# KiCad board hh2024.kicad_pcb (continued)
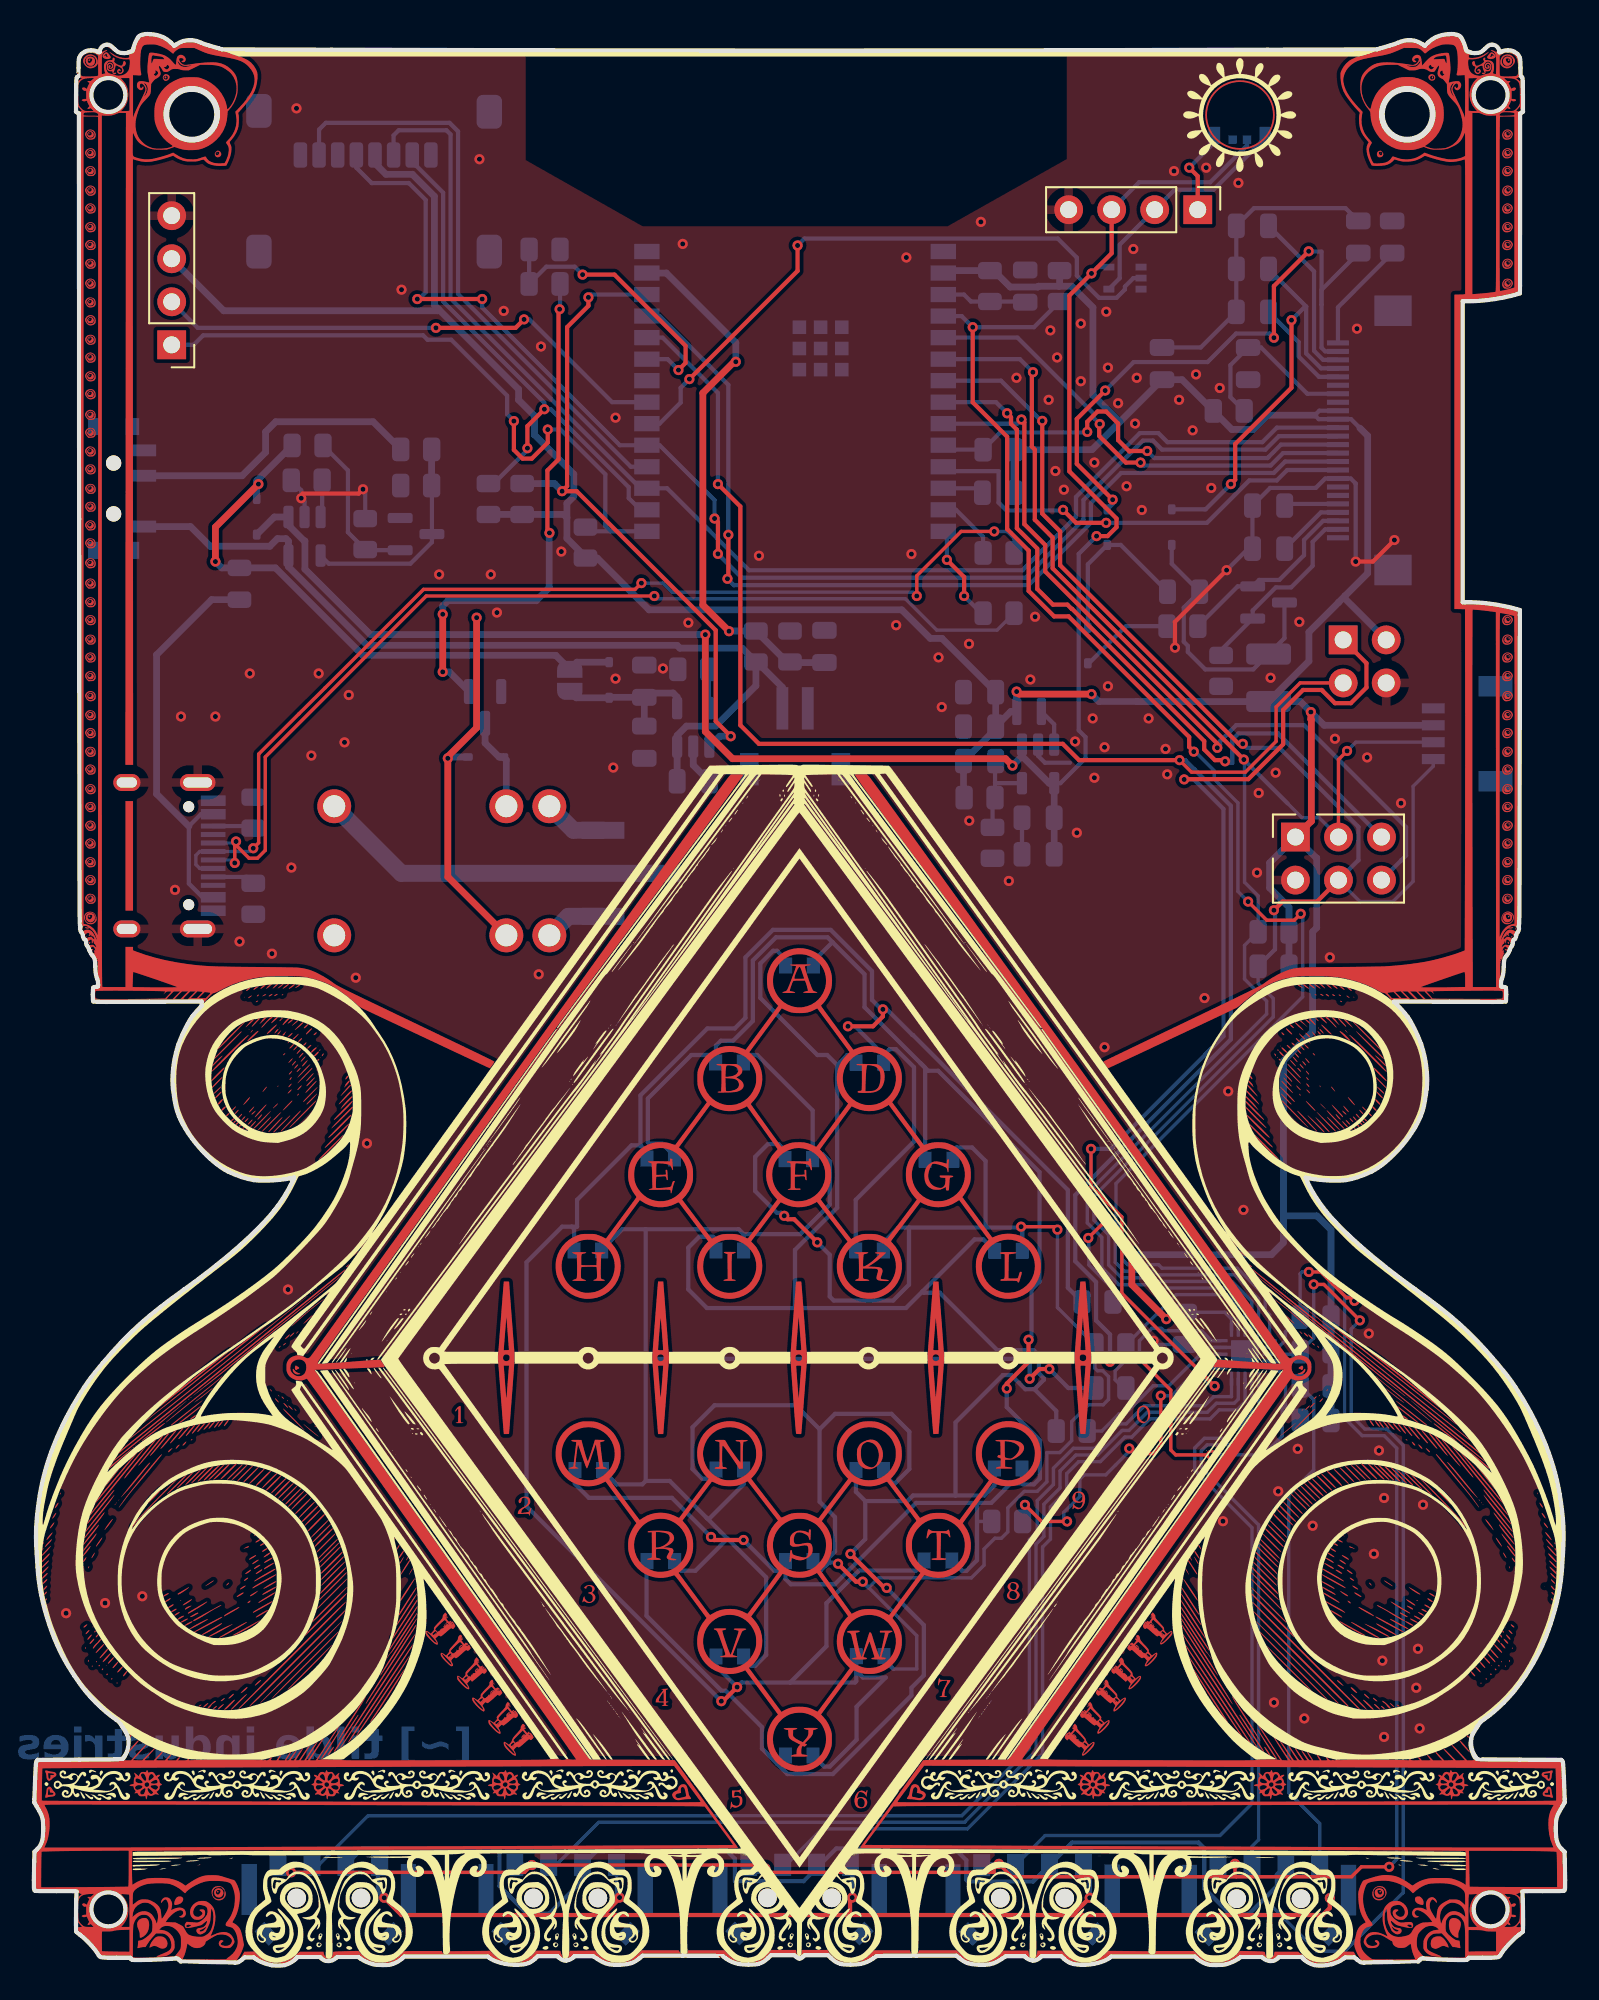
[diagram p0: board, top side]
## Library data of the parts (continued)
U2 = -: Datasheet: https://datasheet.lcsc.com/lcsc/2302231730_WCH-Jiangsu-Qin-Heng-CH32V003F4U6_C5299908.pdf; LCSC: C5299908; Link: https://www.lcsc.com/product-detail/Microcontroller-Units-MCUs-MPUs-SOCs_WCH-Jiangsu-Qin-Heng-CH32V003F4U6_C5299908.html
U3 = -: Datasheet: https://www.espressif.com/sites/default/files/documentation/esp32-c6-wroom-1_datasheet_en.pdf; LCSC: -; Link: https://www.espressif.com/en/products/socs/esp32-c6; Field7: Antenna Area
U4 = -: Datasheet: https://datasheet.lcsc.com/lcsc/1809050356_Silergy-Corp-SY8079AAC_C133751.pdf; LCSC: C133751; Link: https://www.lcsc.com/product-detail/DC-DC-Converters_Silergy-Corp-SY8079AAC_C133751.html; ki_fp_filters: SOT?23*
U5 = -: Datasheet: https://datasheet.lcsc.com/lcsc/1811010913_NATLINEAR-XT4054K421MR-G_C141405.pdf; LCSC: C141405; Link: https://www.lcsc.com/product-detail/Battery-Management-ICs_NATLINEAR-XT4054K421MR-G_C141405.html; ki_fp_filters: SOT?23*
U6 = -: Datasheet: https://datasheet.lcsc.com/lcsc/1810121532_Silergy-Corp-SY6280AAC_C55136.pdf; LCSC: C55136; Link: https://www.lcsc.com/product-detail/Power-Distribution-Switches_Silergy-Corp-SY6280AAC_C55136.html; ki_fp_filters: SOT?23*

## Footprints (pads in the part's own frame, mm; a bottom-side part is the same pattern mirrored in y, then rotated)
C_0805_2012Metric
  rrect 1x1.45 smd: 1(-0.95,0) 2(0.95,0)
D_SOD-323
  rrect 0.6x0.45 smd: 1(-1.05,0) 2(1.05,0)
ESP32-C6-WROOM-1
  rect 1.5x0.9 smd: 1(-8.75,8.26) 2(-8.75,6.99) 3(-8.75,5.72) 4(-8.75,4.45) 5(-8.75,3.18) 6(-8.75,1.91) 7(-8.75,0.64) 8(-8.75,-0.63) 9(-8.75,-1.9) 10(-8.75,-3.17) 11(-8.75,-4.44) 12(-8.75,-5.71) 13(-8.75,-6.98) 14(-8.75,-8.25) 15(8.75,-8.25) 16(8.75,-6.98) 17(8.75,-5.71) 18(8.75,-4.44) 19(8.75,-3.17) 20(8.75,-1.9) 21(8.75,-0.63) 22(8.75,0.64) 23(8.75,1.91) 24(8.75,3.18) 25(8.75,4.45) 26(8.75,5.72) 27(8.75,6.99) 28(8.75,8.26)
  rect 0.8x0.8 smd: 29(-2.755,1.29) 29(-2.755,2.54) 29(-2.755,3.79) 29(-1.505,1.29) 29(-1.505,2.54) 29(-1.505,3.79) 29(-0.255,1.29) 29(-0.255,2.54) 29(-0.255,3.79)
Fuse_0805_2012Metric
  rrect 0.975x1.4 smd: 1(-0.938,0) 2(0.938,0)
Hirose_FH12-24S-0.5SH_1x24-1MP_P0.50mm_Horizontal
  rect 0.3x1.3 smd: 1(-5.75,1.85) 2(-5.25,1.85) 3(-4.75,1.85) 4(-4.25,1.85) 5(-3.75,1.85) 6(-3.25,1.85) 7(-2.75,1.85) 8(-2.25,1.85) 9(-1.75,1.85) 10(-1.25,1.85) 11(-0.75,1.85) 12(-0.25,1.85) 13(0.25,1.85) 14(0.75,1.85) 15(1.25,1.85) 16(1.75,1.85) 17(2.25,1.85) 18(2.75,1.85) 19(3.25,1.85) 20(3.75,1.85) 21(4.25,1.85) 22(4.75,1.85) 23(5.25,1.85) 24(5.75,1.85)
  rect 1.8x2.2 smd: MP(-7.65,-1.4) MP(7.65,-1.4)
HRS1H-S-DC3V
  round 2 hole 1.3: 1(-6.35,-3.81) 2(3.81,-3.81) 3(6.35,-3.81) 4(6.35,3.81) 5(3.81,3.81) 6(-6.35,3.81)
Inductor_MSC20FC
  rrect 0.55x1.6 smd: 1(-0.725,0) 2(0.725,0)
JST_S2B-ZR-SM4A-TF(LF)(SN)
  rect 0.7x2.5 smd: 1(-0.75,2.15) 2(0.75,2.15)
  rect 1.1x1.9 smd: MP(-2.7,-1.45) MP(2.7,-1.45)
L_1210_3225Metric
  rrect 1.25x2.65 smd: 1(-1.4,0) 2(1.4,0)
MicroSD-SOFNG-TF-002-H18
  rrect 0.8x1.5 smd: 1(3.3,-0.05) 2(2.2,-0.05) 3(1.1,-0.05) 4(0,-0.05) 5(-1.1,-0.05) 6(-2.2,-0.05) 7(-3.3,-0.05) 8(-4.4,-0.05)
  rrect 1.5x2 smd: 9(-6.85,-2.65) 9(-6.85,5.65) 9(6.75,-2.6) 9(6.75,5.65)
PinHeader_1x03_P2.54mm_Vertical_SMD_Pin1Left
  rect 2.51x1 smd: 1(-1.655,2.54) 2(1.655,0) 3(-1.655,-2.54)
PinHeader_1x04_P2.54mm_Vertical
  rect 1.7x1.7 hole 1: 1(0,0)
  oval 1.7x1.7 hole 1: 2(0,-2.54) 3(0,-5.08) 4(0,-7.62)
PinHeader_2x02_P2.54mm_Vertical
  rect 1.7x1.7 hole 1: 1(0,0)
  oval 1.7x1.7 hole 1: 2(2.54,0) 3(0,-2.54) 4(2.54,-2.54)
QFN-20-1EP_3x3mm_P0.4mm_EP1.65x1.65mm
  rrect 0.67x0.67 smd: (-0.41,-0.41) (-0.41,0.41) (0.41,-0.41) (0.41,0.41)
  rrect 0.85x0.2 smd: 1(-1.45,0.8) 2(-1.45,0.4) 3(-1.45,0) 4(-1.45,-0.4) 5(-1.45,-0.8) 11(1.45,-0.8) 12(1.45,-0.4) 13(1.45,0) 14(1.45,0.4) 15(1.45,0.8)
  rrect 0.2x0.85 smd: 6(-0.8,-1.45) 7(-0.4,-1.45) 8(0,-1.45) 9(0.4,-1.45) 10(0.8,-1.45) 16(0.8,1.45) 17(0.4,1.45) 18(0,1.45) 19(-0.4,1.45) 20(-0.8,1.45)
  rect 1.65x1.65 smd: 21(0,0)
Qwiic 1X04_1MM_RA_GND
  rect 0.599x1.349 smd: 1(-1.499,0) 2(-0.498,0) 3(0.498,0) 4(1.499,0)
  rect 1.199x1.999 smd: 5(-2.799,-3.673) 6(2.799,-3.673)
R_0805_2012Metric
  rrect 1.025x1.4 smd: 1(-0.912,0) 2(0.912,0)
SAO Female THT Labels
  rect 1.7x1.7 hole 1: 1(1.27,2.54)
  oval 1.7x1.7 hole 1: 2(-1.27,2.54) 3(1.27,0) 4(-1.27,0) 5(1.27,-2.54) 6(-1.27,-2.54)
SK6805-EC3210R
  rect 0.7x1 smd: 1(-1.505,-0.25) 3(1.505,-0.25)
  rect 0.5x0.5 smd: 2(-0.425,0) 4(0.425,0)
SolderJumper-2_P1.3mm_Open_RoundedPad1.0x1.5mm
  custom 1x1.5 smd: 1(-0.65,0) 2(0.65,0)
SOT-23
  rrect 1.475x0.6 smd: 1(-0.938,0.95) 2(-0.938,-0.95) 3(0.938,0)
SOT-23-5
  rrect 1.325x0.6 smd: 1(-1.137,0.95) 2(-1.137,0) 3(-1.137,-0.95) 4(1.137,-0.95) 5(1.137,0.95)
SOT-353_SC-70-5
  rect 0.65x0.4 smd: 1(-0.95,0.65) 2(-0.95,0) 3(-0.95,-0.65) 4(0.95,-0.65) 5(0.95,0.65)
SW_SPDT_PCM12
  rect 1x0.8 smd: (-3.65,-1.43) (-3.65,0.78) (3.65,-1.43) (3.65,0.78)
  round 0.9 hole 0.9 unplated: (-1.5,-0.33) (1.5,-0.33)
  rect 0.7x1.5 smd: 1(-2.25,1.43) 2(0.75,1.43) 3(2.25,1.43)
TM-2023
  rect 0.9x3 smd: (-4.688,-0.471) (4.712,-0.471)
  rect 1.2x0.8 smd rot 135: (-3.668,2.139)
  round 1.1 hole 1.1 unplated: (-1.888,0.029) (1.912,0.029)
  rect 1.2x0.8 smd rot 45: (3.692,2.139)
  rect 1x1.3 smd: 1(-2.988,-1.921) 2(3.012,-1.921) C(-0.988,-1.921) T(1.012,-1.921)
USB_C_Receptacle_HRO_TYPE-C-31-M-12
  round 0.65 hole 0.65 unplated: (-2.89,2.6) (2.89,2.6)
  rect 0.6x1.45 smd: A1(-3.25,4.045) A4(-2.45,4.045) A9(2.45,4.045) A12(3.25,4.045) B1(3.25,4.045) B4(2.45,4.045) B9(-2.45,4.045) B12(-3.25,4.045)
  rect 0.3x1.45 smd: A5(-1.25,4.045) A6(-0.25,4.045) A7(0.25,4.045) A8(1.25,4.045) B5(1.75,4.045) B6(0.75,4.045) B7(-0.75,4.045) B8(-1.75,4.045)
  oval 1x1.6 hole 0.6x1.2: S1(-4.32,-1.05) S1(4.32,-1.05)
  oval 1x2.1 hole 0.6x1.7: S1(-4.32,3.13) S1(4.32,3.13)
XL-1606UOC Side Sticker LED
  rect 0.77x0.95 smd: 1(-0.815,0.475) 2(0.815,0.475)

## Nets
+3V3: C1.2 C2.1 C7.1 C9.1 C10.1 C15.2 J1.2 J3.1 J4.4 J5.3 J8.3 J10.9 J10.10 L1.1 L2.1 R1.1 R2.1 R3.1 R10.1 R11.2 R12.2 R13.1 R14.1 R17.2 R18.2 R19.1 R24.1 R26.2 R36.1 U2.6 U3.2
GND: C1.1 C2.2 C3.2 C4.2 C5.2 C6.1 C8.1 C9.2 C10.2 C11.2 C12.2 C14.2 C15.1 C16.1 C17.1 C18.1 C19.1 C20.1 C21.1 C22.1 D22.2 D25.1 J1.1 J1.5 J1.6 J3.2 J4.6 J4.9 J5.4 J6.A1 J6.A12 J6.B1 J6.B12 J6.S1 J7.4 J8.4 J9.1 J9.MP J10.8 J10.17 J10.MP Q1.2 Q2.2 R15.1 R16.1 R22.1 R23.2 R25.1 R28.1 R30.1 R32.1 R33.1 R34.1 R35.1 U1.1 U1.3 U2.4 U2.21 U3.1 U3.12 U3.28 U3.29 U4.2 U5.2 U6.2
VBAT: C11.1 J9.2 R31.2 SW6.1 U5.3 U6.5
VIN: C4.1 C5.1 D21.1 D22.4 D24.1 J7.3 K1.5 U1.5 U4.1 U4.4 U6.1
/A: D1.2 D2.2 D3.2 D4.2 D8.1 D12.1 D16.1 D20.1 R8.2
/B: D4.1 D5.2 D6.2 D7.2 D8.2 D11.1 D15.1 D19.1 R7.2
/C: D3.1 D7.1 D9.2 D10.2 D11.2 D12.2 D14.1 D18.1 R6.2
/CC1: J6.A5 R15.2
/CC2: J6.B5 R16.2
/CH32 reset: J5.1 U2.1
/D: D2.1 D6.1 D10.1 D13.2 D14.2 D15.2 D16.2 D17.1 R5.2
/E: D1.1 D5.1 D9.1 D13.1 D17.2 D18.2 D19.2 D20.2 R4.2
/E-Paper/BUSY: J10.16 U3.11
/E-Paper/CS: J10.13 R18.1 U3.10
/E-Paper/DC: J10.14 U3.5
/E-Paper/GDR: J10.23 Q3.1 R35.2
/E-Paper/MOSI: J4.3 J10.11 U3.17
/E-Paper/PREVGH: C16.2 D27.1 J10.4
/E-Paper/PREVGL: C14.1 D26.2 J10.2
/E-Paper/RESE: J10.22 Q3.2 R34.2
/E-Paper/RESET: J10.15 U3.25
/E-Paper/SCK: J4.5 J10.12 U3.19
/E-Paper/VCOM: C22.2 J10.1
/E-Paper/VGH: C18.2 J10.20
/E-Paper/VGL: C17.2 J10.21
/E-Paper/VSH: C20.2 J10.5
/E-Paper/VSL: C21.2 J10.3
/microcontroller/D+: J6.A6 J6.B6 R20.1
/microcontroller/D-: J6.A7 J6.B7 R21.1
/microcontroller/GPIO9: J8.1 R19.2 U3.15
/microcontroller/Low Pow CH32: R13.2 U2.11 U3.4
/microcontroller/Relay Ctrl: R9.2 R22.2 U3.23
/microcontroller/RGB LED: U1.2 U3.20
/microcontroller/SAO IO1: J3.5 U3.8
/microcontroller/SAO IO2: J3.6 U3.9
/microcontroller/SDCARD CS: J4.2 R10.2 U3.16
/microcontroller/SPI MISO: J4.7 U3.18
/Power management/CHRG: R26.1 U3.26 U5.1
/Power management/FB33: C7.2 R23.1 R24.2 U4.5
/Power management/SENSE: C12.1 R31.1 R32.2 U3.27
/Power management/SW33: L1.2 U4.3
/USB_VBUS: F1.2 J6.A4 J6.A9 J6.B4 J6.B9
CH32 Prog / PD1: J5.2 R14.2 U2.15 U3.24
LED A: R8.1 U2.5
LED B: R7.1 U2.7
LED C: R6.1 U2.2
LED D: R5.1 U2.10
LED E: R4.1 U2.3
MSWB: R2.2 SW1.T SW2.T SW3.T SW4.T SW5.T U2.13
MSWL: R3.2 SW1.2 SW2.2 SW3.2 SW4.2 SW5.2 U2.14
MSWR: R1.2 SW1.1 SW2.1 SW3.1 SW4.1 SW5.1 U2.12
MSWS1: SW1.C U2.20
MSWS2: SW2.C U2.19
MSWS3: SW3.C U2.18
MSWS4: SW4.C U2.17
MSWS5: SW5.C U2.16
SCL: J1.4 J3.4 R11.1 U2.9 U3.7
SDA: J1.3 J3.3 R12.1 U2.8 U3.6
VUSB: D23.2 D24.2 F1.1 JP1.1 R27.1
Net-(D21-A): D21.2 K1.2 Q1.3
Net-(D22-DIN): D22.3 J7.2 U1.4
Net-(D22-DOUT): D22.1 J7.1
Net-(D23-K): C6.2 C8.2 D23.1 JP1.2 U5.4
Net-(D25-A): C13.1 D25.2 D26.1
Net-(D27-A): C13.2 D27.2 L2.2 Q3.3
Net-(J2-Pin_1): J2.1 K1.4
Net-(J2-Pin_2): J2.2 K1.1
Net-(J2-Pin_3): J2.3 K1.3
Net-(J8-Pin_2): J8.2 U3.21
Net-(J10-Pin_7): C19.2 J10.7 R36.2
Net-(Q1-G): Q1.1 R9.1
Net-(Q2-D): Q2.3 R29.1 R30.2 U6.4
Net-(Q2-G): Q2.1 R27.2 R28.2
Net-(SW6-B): R29.2 SW6.2
Net-(U3-EN/CHIP_PU): C3.1 R17.1 U3.3
Net-(U3-GPIO12/USB_D-): R21.2 U3.13
Net-(U3-GPIO13/USB_D+): R20.2 U3.14
Net-(U5-PROG): R25.2 U5.5
Net-(U6-SET): R33.2 U6.3

Pads without a net: J4 1 8; J6 A8 B8; J10 6 18 19 24; K1 6; SW6 3; U3 22

## Via types
v1: diameter 0.6, hole 0.3, Top to Bottom, 236 vias

## Routing (per net, layer and track width the routed paths; a pad name or vN(x,y) marks a point on that pad's centre or on a via; arc(x,y) is an arc through that point)
+3V3: length 256.4
  Top w0.4: v1(66.85,38.18) 64.81,40.21 v1(64.81,41.98) ; J3.1 75.4,67.55 75.41,67.55 75.41,73.54 75.38,73.57 v1(75.38,74) ; v1(58.01,75.21) 58.16,75.06 v1(62.43,75.06)
  Bottom w0.2: U2.6 70.7,38.17 70.71,38.18 70.3,38.58 68.08,38.58
  Bottom w0.25: 78.28,90.75 77.75,91.28 J10.10 75.85,91.28 75.61,91.52 75.88,91.78 J10.9
  Bottom w0.4: R14.1 R3.1 R2.1 R1.1 76.57,43.44 75.74,44.27 73.76,44.27 ; J1.2 76.16,73.22 v1(75.38,74) 74.76,74.62 L2.1 75.27,77 75.27,78.72 77.02,80.47 77.02,80.48 77.4,80.86 ; v1(58.01,75.21) 58.01,74.04 ; 32.56,83.15 31.46,84.25 31.46,85.47 ; 31.46,85.47 31.28,85.66 R26.2 R10.1 ; 31.46,85.47 31.46,86.32 31.87,86.72 31.87,88.04 29.55,90.36 29.55,91.48 28.61,92.42 28.61,93.05 23.91,97.75 ; 54.88,68.99 C7.1 56.78,73.01 ; 20.13,106.38 20.78,105.73 22.35,105.73 23.64,104.43 23.64,98.01 23.91,97.75 ; 73.76,44.27 73.76,42.69 73.05,41.98 v1(64.81,41.98) ; 73.76,44.27 73.76,53.42 75.49,55.15 75.49,61.04 75.72,61.28 75.72,65.39 75.7,65.39 J3.1 72.95,65.1 72.95,63.63 74.09,62.48 R12.2 R11.2 ; 64.1,91.12 62.52,92.7 62.52,97.88 61.27,99.13 60.5,99.13 ; 64.1,91.12 C15.2 67.78,93.61 R36.1 70.71,90.68 71.98,90.68 72.82,91.52 75.61,91.52 ; 64.1,91.12 62.47,89.48 R18.2 57.86,86.98 ; v1(66.85,38.18) 67.26,38.58 68.08,38.58 ; R13.1 60.55,99.18 60.5,99.13 ; 72.29,74.62 65.13,74.62 65.13,74.62 62.86,74.62 v1(62.43,75.06) ; 77.4,80.86 78.73,82.19 78.73,90.3 78.28,90.75 ; 77.4,80.86 77.4,80.69 J5.3 ; R19.1 33.26,83.09 36.31,80.03 51.23,80.03 52.91,78.35 53.6,78.35 C10.1 C9.1 57.66,74.03 L1.1 ; R17.2 53.83,100.05 ; 23.91,97.75 23.84,97.68 11.2,97.68 J8.3 ; 60.5,99.13 59.31,99.13 59.26,99.08 57.63,99.08 56.66,100.05
GND: length 72.3
  Top w0.25: v1(70.41,82.37) 67.36,79.32 v1(67.36,77.8) ; v1(80.31,84.15) 79.04,82.88 v1(78.03,82.88) ; v1(15.78,86.62) 15.86,86.69 15.86,86.89 19.17,86.89 v1(19.43,87.15)
  Bottom w0.2: 68.26,36.51 U2.4 71.1,36.51 ; v1(66.09,36.9) 66.31,36.68 68.08,36.68
  Bottom w0.25: 61.16,71.01 59.68,71.01 59.28,71.41 U4.2 ; C15.1 68.88,95.51 C20.1 C16.1 C21.1 72.02,103.73 77.43,103.73 C14.2 ; 62.28,76.88 64.47,79.07 R34.1 67.36,78.6 v1(67.36,77.8) ; R33.1 15.78,87.08 v1(15.78,86.62) 15.98,86.42 U6.2 ; U3.12 55.73,87.21 ; C5.2 C4.2 ; v1(19.43,87.15) 19.56,87.02 R28.1 ; 71.68,83.64 v1(70.41,82.37) ; 71.93,83.64 71.93,86.18 72.98,87.23 75.67,87.23 76.23,87.78 J10.17 77.73,87.78 78.03,87.49 v1(78.03,82.88)
  Bottom w0.4: C11.2 38.92,70.87 U5.2
  vias: v1(1.9,20.82) v1(4.2,21.42) v1(6.4,21.82) v1(8.33,63.51) v1(8.68,73.74) v1(10.72,73.74) v1(12.14,60.46) v1(12.75,76.28) v1(14.05,59.74) v1(15,39.92) v1(15.2,64.82) v1(15.5,109.62) v1(16.38,71.43) v1(16.81,76.28) v1(18.34,72.21) v1(18.59,75.01) v1(19,58.32) v1(19.66,48.54) v1(21.7,98.92) v1(23.92,82.12) v1(26.3,106.62) v1(26.97,82.12) v1(27.33,79.87) v1(27.73,97.67) v1(29.8,58.52) v1(29.93,95.57) v1(31.13,83.47) v1(34.2,70.72) v1(34.33,91.37) v1(34.33,75.97) v1(37.13,76.57) v1(38.3,101.62) v1(38.63,79.27) v1(42.8,83.22) v1(50.9,79.12) v1(51.5,100.82) v1(51.8,83.32) v1(53.4,77.22) v1(53.59,74.3) v1(55.2,78.02) v1(55.22,67.59) v1(55.9,102.92) v1(57.55,64.03) v1(58,93.72) v1(58.82,75.92) v1(59.1,79.62) v1(59.9,92.42) v1(60,96.52) v1(60.3,88.22) v1(60.4,94.92) v1(60.8,87.12) v1(61.46,72.26) v1(61.57,66.88) v1(61.8,96.92) v1(61.8,93.52) v1(62.5,73.62) v1(62.6,88.72) v1(62.6,70.12) v1(63.2,71.92) v1(63.2,54.22) v1(63.3,97.62) v1(63.4,94.32) v1(63.4,75.52) v1(64,92.22) v1(64.5,87.32) v1(64.9,101.32) v1(65,91.02) v1(65.1,93.72) v1(65.4,85.92) v1(65.8,73.62) v1(66.8,71.82) v1(66.9,70.32) v1(67.3,105.92) v1(67.6,92.42) v1(68.4,90.62) v1(68.6,93.92) v1(69.1,57.12) v1(69.2,106.12) v1(69.5,87.22) v1(70,93.12) v1(70.19,26.25) v1(70.5,51.62) v1(71.1,105.22) v1(71.4,44.62) v1(72.2,64.52) v1(72.3,69.22) v1(73,76.02) v1(73.2,15.55) v1(73.3,70.42) v1(73.45,28.02) v1(74.6,30.52) v1(74.7,79.32) v1(74.99,14.61) v1(75.49,25.98) v1(76.5,59.52) v1(76.8,72.42) v1(78.1,96.62) v1(78.7,71.32) v1(78.8,37.32) v1(79.1,24.32) v1(79.4,30.42) v1(79.6,18.02) v1(79.7,27.62) v1(79.7,13.52) v1(80.7,68.62) v1(81.6,16.42) v1(81.7,18.72) v1(81.8,14.02) v1(82,27.22)
VBAT: length 54.1
  Bottom w0.4: J9.2 44.18,75.46 42.62,77.02 ; C11.1 U5.3 37.97,72.62 38.52,73.17 40.24,73.17 42.62,75.55 R31.2 41.81,77.77 38.13,77.77 37.97,77.94 19.66,77.94 15.03,82.57 U6.5 15.03,84.08 14.88,84.23 14.38,84.23 13.93,83.78 10.41,83.78 9.25,84.94 SW6.1
VIN: length 136.6
  Top w0.25: v1(62.73,84.38) 63.38,84.38 63.91,84.91 63.91,85.42 61.12,88.21 61.12,98.58 v1(62.43,99.88) 63.62,101.07 J7.3
  Top w0.4: K1.5 24.43,64.28 v1(24.43,71.27) 24.43,71.37 26.13,73.07 v1(26.13,79.57) ; v1(57.77,70.84) 57.36,71.25 41.24,71.25 39.63,72.85 v1(39.63,78.57)
  Bottom w0.25: U4.4 60.6,69.8 62.08,71.28 62.08,72.52 61.68,72.92 61.68,83.33 v1(62.73,84.38) ; v1(62.43,99.88) 62.8,100.26 U1.5 ; J7.3 65.24,105.26 69.44,105.26 71.61,107.43 D22.4
  Bottom w0.4: 58.33,71.4 U4.1 ; 58.33,71.4 57.77,70.84 v1(57.77,70.84) ; 58.33,71.4 59.93,69.8 U4.4 C4.1 C5.1 ; 26.13,78.57 v1(39.63,78.57) ; 26.13,78.57 v1(26.13,79.57) ; 26.13,78.57 19.86,78.57 16,82.44 16,84.1 15.95,84.1 15.03,85.03 U6.1 14.19,85.51 D24.1 ; D21.1 24.51,71.35 v1(24.43,71.27)
/A: length 98.1
  Top w0.25: v1(59.94,35.23) 59.35,35.23 v1(58.78,34.66)
  Bottom w0.25: 39.71,26.46 37.54,28.63 36.12,28.63 ; 39.71,26.46 39.76,26.41 39.88,26.41 41.89,28.43 D8.1 ; 39.71,26.46 40.94,25.22 ; 41.89,43.19 41.6,43.48 36.12,43.48 ; 41.89,43.19 45.24,43.19 46.98,44.93 46.98,47.48 46.55,47.91 45.97,47.91 45.97,48.1 ; 41.89,43.19 D1.2 ; 36.12,43.48 34.73,43.48 33.52,42.27 ; 36.12,43.48 36.12,35.83 ; 40.94,25.22 39.05,23.33 38.22,23.33 37.82,23.72 ; 40.94,25.22 43.23,22.94 43.23,18.36 42.59,17.72 42.33,17.72 41.89,18.16 ; D12.1 34.4,28.43 35.92,28.43 36.12,28.63 ; v1(58.78,34.66) 58.78,35.63 58.58,35.83 36.12,35.83 ; 41.87,53.43 42.21,53.76 42.7,53.76 45.97,50.49 45.97,48.1 ; 36.12,28.63 36.12,35.83 ; v1(59.94,35.23) 61.06,34.11 R8.2 ; D4.2 45.97,48.1
/B: length 118.7
  Top w0.2: v1(58.27,43.63) 60.24,43.63 v1(60.42,43.46)
  Top w0.25: v1(44.29,44.27) 44.49,44.07 44.88,44.07 v1(46.24,42.71) ; v1(47.47,23.74) 48.53,22.69 v1(48.93,22.69)
  Bottom w0.2: v1(58.27,43.63) 58.27,43.51 ; 50.74,17.53 52.12,17.53 52.12,19.49 49.28,22.33 49.85,22.91 55.34,22.91 56.09,23.66 56.09,24.61 56.73,25.25 57.12,25.25 57.49,25.62 57.49,27.04 58.46,28.01 59.23,28.01 59.79,28.58 59.79,30.3 60.55,30.3 61.26,31.01 61.26,32.14 62.25,33.12 63.12,33.12 63.44,33.44 63.44,34.79 63.09,35.13 62.79,35.13 62.63,35.28 R7.2 60.42,38.87 v1(60.42,43.46)
  Bottom w0.25: 51.66,43.58 51.04,43.58 50.14,42.69 D6.2 ; 51.66,43.58 51.66,40.21 50.72,39.27 47.22,39.27 46.98,39.51 46.98,41.97 v1(46.24,42.71) ; 51.66,43.58 56.18,43.58 ; 56.18,43.58 58.22,43.58 v1(58.27,43.63) 58.34,43.56 D5.2 ; 56.18,43.58 56.18,47.51 55.38,48.31 54.45,48.31 54.24,48.1 D7.2 ; D4.1 44.34,48.12 43.95,48.51 43.33,48.51 42.58,47.76 42.58,45.73 43.87,44.45 44.12,44.45 v1(44.29,44.27) ; 40.26,29.21 39.82,28.76 39.45,28.76 38.88,29.33 38.88,31.8 40.18,33.1 44.97,33.1 46.38,31.68 ; 46.38,31.68 46.38,27.4 47.29,26.49 47.29,24.46 46.91,24.08 46.91,23.81 ; 46.38,31.68 47.29,32.59 50.62,32.59 51.68,31.53 51.68,29.33 50.77,28.43 50.15,29.05 ; 45.99,23.8 46.45,23.34 46.91,23.81 ; 46.91,23.81 47.4,23.81 v1(47.47,23.74) ; v1(48.93,22.69) 49.28,22.33 ; 50.17,18.1 50.74,17.53
/C: length 108.7
  Top w0.25: v1(41.89,25.14) 40.15,25.14 v1(39.97,25.32) ; v1(58.71,36.96) 58.71,35.66 57.43,34.37 v1(57.43,34.08)
  Bottom w0.2: R6.2 55.67,26.24
  Bottom w0.25: v1(39.97,25.32) 37.66,27.63 32.76,27.63 31.93,28.46 D12.2 ; 47.14,60.42 46.85,60.71 43.81,60.71 42.44,59.34 42.44,55.77 41.28,54.61 40.55,54.61 40.26,54.32 40.26,53.76 38.81,53.76 36.24,51.2 36.24,48.61 36.33,48.52 37.1,48.52 37.81,47.81 ; 47.14,60.42 49.03,58.53 49.03,56.59 52.34,53.28 ; 47.14,60.42 46,59.29 ; D18.1 58.33,28.49 ; 58.33,28.49 57.67,28.49 56.51,27.33 55.67,27.33 ; 58.33,28.49 58.39,28.43 59.03,28.43 59.38,28.78 59.38,31.03 57.43,32.98 v1(57.43,34.08) ; 52.61,47.58 52.61,53 52.34,53.28 ; 52.34,53.28 52.79,52.83 53.38,52.83 59.36,46.85 59.36,40.39 58.89,39.91 58.89,37.14 v1(58.71,36.96) ; 55.67,27.33 52.08,27.33 47.28,22.53 44.68,22.53 44.36,22.85 44.36,23.33 43.71,23.33 v1(41.89,25.14) ; 55.67,27.33 55.67,23.95 55.04,23.32 54.8,23.32 D14.1
/CC1: length 2
  Bottom w0.25: J6.A5 12.57,64.27
/CC2: length 2.2
  Bottom w0.25: J6.B5 12.83,67.27
/CH32 reset: length 65.1
  Top w0.2: v1(62.4,48.22) 62.4,46.02 64.22,44.2 64.22,39.7 v1(69.7,34.22)
  Top w0.25: J5.1 78.66,76.88 78.66,75.45 77.74,74.52 76.8,74.52 76.02,75.3 74.92,75.3 73.74,74.13 73.74,72.1 71.68,70.04 68.1,70.04 v1(67.9,70.02) 68.07,70.04 68.09,70.04
  Bottom w0.2: U2.1 69.29,35.31 69.1,35.11 69.1,34.62 69.5,34.22 v1(69.7,34.22) 69.7,34.02 69.6,34.12
  Bottom w0.25: v1(62.4,48.22) 63.57,48.22 70.22,54.87 70.22,68.28 68.48,70.02 v1(67.9,70.02)
/D: length 146.5
  Top w0.25: v1(48.05,55.46) 49.53,55.46 50.12,56.04 v1(50.12,56.46) ; v1(41.51,16.46) 40.68,15.63 v1(40.58,15.63)
  Bottom w0.25: 48.54,17.42 48.94,17.03 50.28,17.03 48.56,15.31 48.56,13.36 46.98,11.77 46.65,11.77 D17.1 ; 48.54,17.42 48.54,16.81 48.46,16.73 44.64,16.73 ; 48.54,17.42 D15.2 ; 52.55,23.83 52.07,23.34 48.71,23.34 46.78,21.41 46.78,18.87 44.64,16.73 ; 35.8,48.43 35.8,51.38 39.76,55.33 41.38,55.33 42,55.95 42,59.52 43.62,61.15 47.04,61.15 49.47,58.71 49.47,57.02 50.03,56.46 v1(50.12,56.46) 50.35,56.46 51.86,54.94 51.89,54.94 61.03,45.8 61.03,40.03 R5.2 ; 35.8,48.43 36.18,48.05 D10.1 ; 35.8,48.43 35.28,48.43 32.06,45.22 32.06,43.63 31.75,43.63 ; 44.64,16.73 41.78,16.73 v1(41.51,16.46) 40.26,17.71 40.26,17.93 ; D6.1 48.51,45.22 51.95,48.66 51.95,53.04 50.89,54.11 50.51,54.11 50.17,53.76 48.47,55.46 v1(48.05,55.46) ; 31.75,43.63 31.89,43.5 D2.1 ; 31.75,43.63 31.18,43.63 29.08,41.53 29.08,27.13 v1(40.58,15.63) ; 36.19,47.91 36.19,48.05
/E: length 128.4
  Top w0.25: v1(48.2,24.32) 50.21,22.32 v1(50.34,22.32)
  Bottom w0.25: 44.93,38.83 39.73,38.83 38.63,39.93 38.63,42.39 39.28,43.04 40.09,43.04 40.26,42.87 D1.1 ; 44.93,38.83 44.93,42.26 47.42,44.75 47.42,53.17 ; 44.93,38.83 51.48,38.83 52.45,39.81 ; v1(48.2,24.32) 49.07,25.19 49.07,27.44 ; 49.07,27.44 48.52,27.99 D19.2 ; 49.07,27.44 51.57,27.44 51.9,27.77 54.4,27.77 ; 59.06,34.04 58.52,34.04 57.69,34.88 57.2,34.88 54.4,32.08 54.4,27.77 54.4,27.77 ; 59.06,34.04 59.61,34.59 59.61,34.69 59.33,34.98 59.33,36.03 59.01,36.35 56.89,36.35 56.88,36.33 53.48,39.73 52.53,39.73 52.45,39.81 ; 59.06,34.04 60.35,32.76 R4.2 ; 43.89,11.92 42.98,12.83 42.98,14.1 40.83,16.25 40.59,16.25 36.16,20.67 36.16,23.33 36.19,23.36 D20.2 ; 43.89,11.92 44.48,11.33 47.16,11.33 51.8,15.97 51.8,16.42 52.53,17.16 52.53,20.13 v1(50.34,22.32) ; 43.89,11.92 43.89,11.95 D17.2 ; 52.45,39.81 55.53,42.88 56.04,42.88 D5.1 ; D9.1 44.37,59.41 43.87,59.91 43.63,59.91 42.88,59.16 42.88,57.13 46.25,53.76 46.83,53.76 47.42,53.17 ; 47.42,53.17 48.01,53.76 48.46,53.31 ; 54.4,27.77 56.11,27.77 56.7,28.36 D18.2
/E-Paper/BUSY: length 26.7
  Top w0.25: v1(63.29,85.17) 61.52,85.17 v1(60.75,85.93)
  Bottom w0.25: 53.95,88.21 56.94,88.21 56.94,86.36 57.41,85.9 60.72,85.9 v1(60.75,85.93) ; v1(63.29,85.17) 69.24,85.17 71.74,87.67 73.37,87.67 73.98,88.28 J10.16
/E-Paper/CS: length 26.4
  Top w0.25: v1(62.18,90.53) 62.18,91.13 62.78,91.73 63.29,91.73 64,91.03 64,90.05 64.67,89.38 64.7,89.41 v1(65.72,89.41)
  Bottom w0.25: 53.95,89.48 R18.1 57.05,90.5 62.15,90.5 v1(62.18,90.53) ; v1(65.72,89.41) 66.14,88.99 72.82,88.99 73.62,89.78 J10.13
/E-Paper/DC: length 27.3
  Top w0.25: v1(65.33,88.72) 64.46,88.72 62.89,90.29 62.89,90.97 v1(62.92,91)
  Bottom w0.25: v1(62.92,91) 62.57,91.35 62.57,91.59 58.06,96.1 U3.5 ; J10.14 73.74,89.28 73,88.55 65.5,88.55 v1(65.33,88.72)
/E-Paper/GDR: length 11
  Bottom w0.25: 70.08,77.65 Q3.1 71.95,79.99 73.31,81.36 74.22,81.36 75.49,82.63 75.49,84.04 76.23,84.78 J10.23
/E-Paper/MOSI: length 77.7
  Bottom w0.25: U3.17 37.38,87.21 42.22,82.37 58.35,82.37 61.52,85.53 61.52,86.69 65.28,90.46 66.38,90.46 66.92,89.92 72.51,89.92 73.37,90.78 J10.11 ; 35.8,87.21 24.6,98.41 24.6,108.09 24.35,108.33 21.53,108.33 21.23,108.03 J4.3
/E-Paper/PREVGH: length 24.6
  Top w0.25: v1(70.66,87.45) 70.91,87.71 70.91,89.81 74.24,93.14 v1(74.24,97.13)
  Bottom w0.25: v1(70.66,87.45) 69.17,85.96 D27.1 ; C16.2 75.1,97.93 ; 75.1,97.93 75.1,95.16 75.98,94.28 J10.4 ; 75.1,97.93 75.04,97.93 v1(74.24,97.13)
/E-Paper/PREVGL: length 37.6
  Top w0.25: v1(73.2,96.09) 73.2,99.14 v1(75.25,101.19) ; v1(63.68,86.53) 61.56,88.65 61.56,91.3 v1(63.24,92.97)
  Bottom w0.25: v1(75.25,101.19) 75.27,101.17 76.01,101.17 76.01,98.03 ; D26.2 63.68,86.28 v1(63.68,86.53) ; C14.1 76.01,98.91 76.01,98.03 ; 76.01,98.03 76.01,95.5 76.23,95.28 J10.2 ; v1(63.24,92.97) 64.92,94.65 69.28,94.65 70.96,96.33 72.95,96.33 v1(73.2,96.09)
/E-Paper/RESE: length 11.4
  Bottom w0.25: J10.22 76.1,85.28 74.98,84.16 74.98,83.25 73.52,81.8 72.33,81.8 Q3.2 71.06,81.42 R34.2
/E-Paper/RESET: length 57.9
  Top w0.25: v1(40.99,84.46) 40.99,81.92 v1(40.94,81.86)
  Bottom w0.25: v1(40.99,84.46) 40.99,93.31 36.93,97.37 U3.25 ; J10.15 73.86,88.78 73.19,88.11 64.18,88.11 62.4,86.33 62.4,85.16 58.72,81.49 41.32,81.49 v1(40.94,81.86)
/E-Paper/SCK: length 79.4
  Top w0.25: v1(40.18,85.42) 40.38,85.22 v1(40.38,83.34) ; v1(22.63,98.37) 22.64,98.37 v1(26.46,98.37)
  Bottom w0.25: 19.03,106.87 19.03,106.12 19.94,105.22 22.13,105.22 23.13,104.22 23.13,98.76 22.73,98.37 ; v1(26.46,98.37) 26.46,97.87 34.59,89.75 U3.19 36.93,89.75 40.18,86.5 v1(40.18,85.42) ; J10.12 73.49,90.28 72.7,89.48 66.6,89.48 66.06,90.02 65.47,90.02 61.96,86.51 61.96,85.35 58.54,81.93 41.79,81.93 v1(40.38,83.34)
/E-Paper/VCOM: length 6.6
  Bottom w0.25: J10.1 76.98,97.88 C22.2
/E-Paper/VGH: length 3
  Bottom w0.25: 73.93,86.28 J10.20
/E-Paper/VGL: length 4
  Bottom w0.25: J10.21 75.97,85.78 C17.2
/E-Paper/VSH: length 6.2
  Bottom w0.25: J10.5 75.86,93.78 74.66,94.98 74.66,95.83 C20.2
/E-Paper/VSL: length 10.1
  Bottom w0.25: J10.3 76.1,94.78 75.57,95.32 75.57,100 C21.2
/microcontroller/D+: length 61.4
  Top w0.2: v1(11.86,65.1) 11.86,66.29 v1(11.93,66.36) 11.93,66.14 12.7,65.37 13.19,65.37 13.66,65.84 13.66,71.35 23.16,80.85 v1(36.62,80.85)
  Bottom w0.2: v1(36.62,80.85) 36.79,80.68 51.45,80.68 53.29,78.84 56.86,78.84 R20.1 ; v1(11.86,65.1) 11.81,65.27 J6.A6 ; J6.B6 11.84,66.27 v1(11.93,66.36)
/microcontroller/D-: length 63.3
  Top w0.2: v1(56.69,84.66) 54.74,84.66 52.12,82.04 v1(52.12,80.85) ; v1(35.86,81.61) 35.49,81.24 23,81.24 17.19,75.43 15.64,73.89 13.27,71.52 13.27,66.28 v1(12.95,65.96)
  Bottom w0.2: R21.1 57.86,84.25 57.45,84.66 v1(56.69,84.66) ; J6.B7 9.79,64.77 9.56,65 9.56,65.55 9.79,65.77 J6.A7 12.76,65.77 v1(12.95,65.96) ; v1(35.86,81.61) 37.13,81.61 37.67,81.07 51.89,81.07 v1(52.12,80.85)
/microcontroller/GPIO9: length 39.6
  Top w0.25: v1(28.33,91.17) 28.33,89.47 28.85,88.96 29.39,88.96 30.33,89.9 v1(30.33,90.67)
  Bottom w0.25: v1(28.33,91.17) 27.93,91.57 27.93,92.67 24.63,95.97 23.23,95.97 22.97,96.23 9.99,96.23 9.43,95.67 J8.1 ; 34.03,84.67 33.73,84.97 33.73,88.03 31.09,90.67 v1(30.33,90.67) ; 34.03,84.67 32.81,84.67 ; 34.03,84.67 U3.15
/microcontroller/Low Pow CH32: length 89.9
  Top w0.2: v1(71.68,62.81) 72.78,61.72 74.4,61.72 v1(74.78,62.1)
  Top w0.25: v1(55.42,96.71) 55.42,92.28 57.45,90.25 57.45,84.8 58.72,83.53 58.72,81.15 60.22,79.65 61.08,79.65 68.2,72.53 68.2,71.94 v1(68.47,71.66)
  Bottom w0.2: v1(68.47,71.66) 68.55,71.66 69.68,70.53 69.68,70.03 71.07,68.64 71.07,63.42 v1(71.68,62.81) ; v1(74.78,62.1) 74.89,61.98 74.89,57.2 63.88,46.18 63.88,43.84 63.87,43.83 64.22,43.47 64.22,41.73 64.56,41.39 66.39,41.39 66.6,41.18 71.04,41.18 72.69,39.54 72.69,38.69 72.95,38.43 U2.11
  Bottom w0.25: U3.4 54.76,97.37 v1(55.42,96.71) 59.04,96.71 R13.2
/microcontroller/Relay Ctrl: length 17.4
  Top w0.25: v1(38.05,94.18) 38.47,94.6 38.47,95.61 34.27,99.81 v1(32.39,99.81)
  Bottom w0.25: v1(32.39,99.81) 31.92,100.28 30.25,100.28 R9.2 R22.2 ; U3.23 37.41,94.83 v1(38.05,94.18)
/microcontroller/RGB LED: length 37.7
  Top w0.25: v1(45.08,101.53) 45.08,100.03 v1(38.69,93.65)
  Bottom w0.25: v1(38.69,93.65) 38.18,93.13 38.18,92.26 36.93,91.02 U3.20 ; v1(45.08,101.53) 45.49,101.94 60.44,101.94 61.57,100.82 61.57,99.76 62.88,98.44 63.91,98.44 64.4,98.94 64.4,99.11 64.9,99.61 U1.2
/microcontroller/SAO IO1: length 44.1
  Top w0.25: v1(57.45,91.63) 57.68,91.4 57.68,91.01 58.03,90.66 58.03,84.84 59.23,83.64 59.23,81.26 60.15,80.34 61.01,80.34 61.26,80.09 61.29,80.09 69.08,72.29 69.08,71.79 69.72,71.16 70.25,71.16 v1(70.32,71.09)
  Bottom w0.25: v1(70.32,71.09) 70.41,71 70.75,71 70.75,72.38 71.11,72.74 73.45,72.74 73.45,72.72 J3.5 ; U3.8 56.8,92.29 v1(57.45,91.63)
/microcontroller/SAO IO2: length 46.9
  Top w0.25: v1(58.3,91.26) 58.47,91.09 58.47,85.09 59.7,83.86 59.7,82.3 69.86,72.14 v1(69.86,71.89)
  Bottom w0.25: J3.6 80.72,65.25 80.73,65.25 80.73,65.26 81,65.53 81,67.21 74.98,73.23 70.97,73.23 70.02,72.28 70.02,72.06 v1(69.86,71.89) ; v1(58.3,91.26) 58.05,91.02 U3.9
/microcontroller/SDCARD CS: length 32
  Top w0.25: v1(29.13,89.57) 29.13,90.87 v1(30.13,91.87)
  Bottom w0.25: v1(29.13,89.57) 29.13,89.47 27.15,87.48 ; 35.8,85.94 35.11,86.62 35.11,87.27 30.51,91.87 v1(30.13,91.87) 30.13,92.25 24.16,98.23 24.16,104.65 22.33,106.47
/microcontroller/SPI MISO: length 35
  Bottom w0.25: J4.7 16.83,108.37 17.23,108.77 24.53,108.77 25.04,108.27 25.04,98.67 35.24,88.48 U3.18
/Power management/CHRG: length 38.8
  Top w0.25: v1(41.13,72.57) 40.25,73.46 40.25,78.83 32.04,87.03 v1(31.18,87.03) 31.48,87.33 31.48,96.71 32.73,97.97 v1(32.73,98.47)
  Bottom w0.25: v1(32.73,98.47) 32.9,98.64 U3.26
  Bottom w0.4: R26.1 30.73,87.48 v1(31.18,87.03) ; v1(41.13,72.57) 40.48,72.57 U5.1
/Power management/FB33: length 5.3
  Bottom w0.25: R24.2 56.74,69.84 ; 56.74,69.84 56.74,71.07 ; 56.74,69.84 56.78,69.8 U4.5 ; R23.1 56.59,68.8
/Power management/SENSE: length 31.7
  Top w0.4: v1(41.03,78.77) 39.49,80.32 39.49,92.83 41.33,94.67 v1(41.43,94.67)
  Bottom w0.4: 44.45,76.96 R31.1 41.05,78.78 v1(41.03,78.77) ; C12.1 44.67,76.92 ; v1(41.43,94.67) 41.43,95.81 37.33,99.91 U3.27
/Power management/SW33: length 2.3
  Bottom w0.25: L1.2 60.23,73.28 U4.3
/USB_VBUS: length 24
  Bottom w0.25: J6.A9 9.86,67.97 9.15,67.26 9.15,63.88 9.96,63.07 J6.A4
  Bottom w0.4: 9.15,67.26 7.24,69.17 7.24,77.38 10.5,80.63 F1.2
CH32 Prog / PD1: length 128.5
  Top w0.2: v1(67.63,71.16) 68.34,70.45 71.51,70.45 73.33,72.27 73.33,74.3 74.75,75.72 J5.2 ; v1(69.5,30.16) 67.4,30.16 67.11,30.45 67.11,33.98 65.25,35.85 63.71,35.85 v1(63.52,35.66)
  Top w0.25: v1(40.38,87.45) 41.7,86.13 41.7,73.22 42.8,72.12 60.73,72.12 61.7,71.16 v1(67.63,71.16)
  Bottom w0.2: 73.88,33.06 73.88,33.06 73.88,34.73 73.31,35.31 U2.15 ; 73.88,33.06 74.74,32.2 ; 73.88,33.06 73.68,32.86 73.68,31.27 72.57,30.16 v1(69.5,30.16)
  Bottom w0.25: U3.24 37.12,96.1 40.38,92.83 v1(40.38,87.45) ; v1(63.52,35.66) 63.52,37.27 62.7,38.1 62.7,40.37 61.47,41.59 61.47,45.5 70.66,54.69 70.66,68.47 68.54,70.59 68.54,70.6 67.97,71.16 v1(67.63,71.16)
LED A: length 9.4
  Bottom w0.2: U2.5 69.52,36.91 68.93,37.49 66.7,37.49 66.56,37.63 65.99,37.63 65.26,36.9 65.26,35.85 65.07,35.66 64.36,35.66 63.83,35.13 63.83,34.59 64.31,34.11
LED B: length 9.5
  Bottom w0.2: R7.1 67.43,39.62 70.4,39.62 71.1,38.92 U2.7
LED C: length 20
  Top w0.2: v1(60.99,26.24) 59.48,26.24 v1(58.5,27.22) ; v1(66.52,33.66) 66.52,30.72 66.05,30.25 64.96,30.25 v1(64.66,30.54)
  Bottom w0.2: v1(66.52,33.66) 67.17,33.66 68.44,34.93 68.44,35 69.14,35.71 U2.2 ; v1(60.99,26.24) 60.79,26.44 60.79,26.77 61.74,27.72 61.74,28.73 62,28.99 63.27,28.99 64.66,30.38 v1(64.66,30.54) ; v1(58.5,27.22) 58.5,26.38
LED D: length 20
  Top w0.2: v1(63.29,44.14) 63.29,44.01 v1(62.24,42.97)
  Bottom w0.2: v1(62.24,42.97) 62.28,42.93 62.28,41.38 63.7,39.95 R5.1 ; U2.10 72.3,39.38 70.88,40.79 66.35,40.79 66.14,41 64.37,41 63.83,41.53 63.83,43.31 63.29,43.86 v1(63.29,44.14)
LED E: length 9.7
  Bottom w0.2: R4.1 63.04,31.57 64.06,32.59 64.42,32.59 66.08,34.25 67,34.25 68.86,36.11 U2.3
MSWB: length 126.9
  Top w0.2: v1(75.55,40.22) 76.15,40.22 v1(78.27,38.1)
  Bottom w0.2: 72.63,3.98 75.74,0.87 77.37,0.87 80.84,4.34 80.84,30.72 79.87,31.69 78.57,31.69 77.76,32.5 77.76,37.6 v1(78.27,38.1) ; R2.2 75.55,37.07 v1(75.55,40.22) ; 74.59,36.11 U2.13
  Bottom w0.25: 32.39,5.97 33.36,6.93 40.78,6.93 41.38,6.33 41.38,5.02 41.39,5.01 45.44,5.01 47.37,6.94 54.35,6.94 55.04,6.25 55.04,5.09 55.14,4.99 58.99,4.99 SW4.T 61.28,7.29 68.74,7.29 69.09,6.95 69.09,4.59 70.62,3.05 71.7,3.05 73.37,4.73 73.37,5.4 SW5.T ; SW2.T 32.39,5.07 30.42,3.09 29.11,3.09 27.48,4.72 27.48,6.93 19.38,6.93 SW1.T
MSWL: length 103
  Top w0.25: 48.18,3.01 61.18,3.01 ; 48.18,3.01 48.18,3.92 v1(48.31,4.04) ; 48.18,3.01 33.6,3.01 ; 61.18,3.01 76.08,3.01 76.5,3.43 v1(76.5,4.01) ; 61.18,3.01 61.31,3.01 v1(62.32,4.03) ; v1(20.68,4.03) 21.7,3.01 33.6,3.01 ; v1(34.57,4.04) 34.57,3.99 33.6,3.01
  Bottom w0.2: v1(34.57,4.04) 34.39,4.22 SW2.2 ; R3.2 75.55,33.43 75.55,29.28 74.07,27.8 74.07,10.24 75.9,8.41 SW5.2 ; 74.74,34.42 73.46,35.71 U2.14
  Bottom w0.25: 48.31,5.89 48.31,4.17 ; SW5.2 76.68,5.15 76.68,4.19 v1(76.5,4.01) ; 20.31,5.89 20.31,4.4 v1(20.68,4.03) ; v1(62.32,4.03) 62.32,5.59
MSWR: length 116.9
  Top w0.2: v1(15.18,5.53) 28.97,5.53 v1(29.4,5.96) 42.98,5.96 v1(43.18,5.76) 43.41,5.53 56.68,5.53 56.68,5.75 v1(56.96,6.03) 57.72,5.27 70.98,5.27 ; v1(77.95,39.26) 77.78,39.43 77.49,39.43 75.97,40.96 v1(75.26,40.96) ; 70.98,5.27 77.78,5.27 78.37,5.86 v1(80,5.86) ; 70.98,5.27 70.9,5.35 v1(70.9,6.03)
  Bottom w0.2: v1(15.18,5.53) 14.67,5.53 ; v1(75.26,40.96) 74.85,40.96 74.74,40.85 R1.2 73.88,37.43 73.88,36.93 73.46,36.51 U2.12 ; v1(80,5.86) 80.29,6.14 80.45,6.3 80.45,30.56 79.71,31.3 78.41,31.3 77.37,32.34 77.37,39.49 77.72,39.49 v1(77.95,39.26) ; v1(56.96,6.03) 56.03,6.03 ; v1(43.18,5.76) 42.95,5.53 42.67,5.53 ; SW5.1 70.8,5.93 v1(70.9,6.03)
  Bottom w0.25: v1(29.4,5.96) 29.4,5.97 SW2.1
